# Altium PCB intPCB1.PcbDoc (part 3 of 3)
Units mil, origin at the board's own origin, x right, y up, seen from the top; angles counter-clockwise.
Board outline 10495 x 8000 mil, 4 copper layers (Top Layer, 5V, GND, Bottom Layer), stack 23.756 mil thick; 185 components, 89 nets, 720 pads, 479 vias.
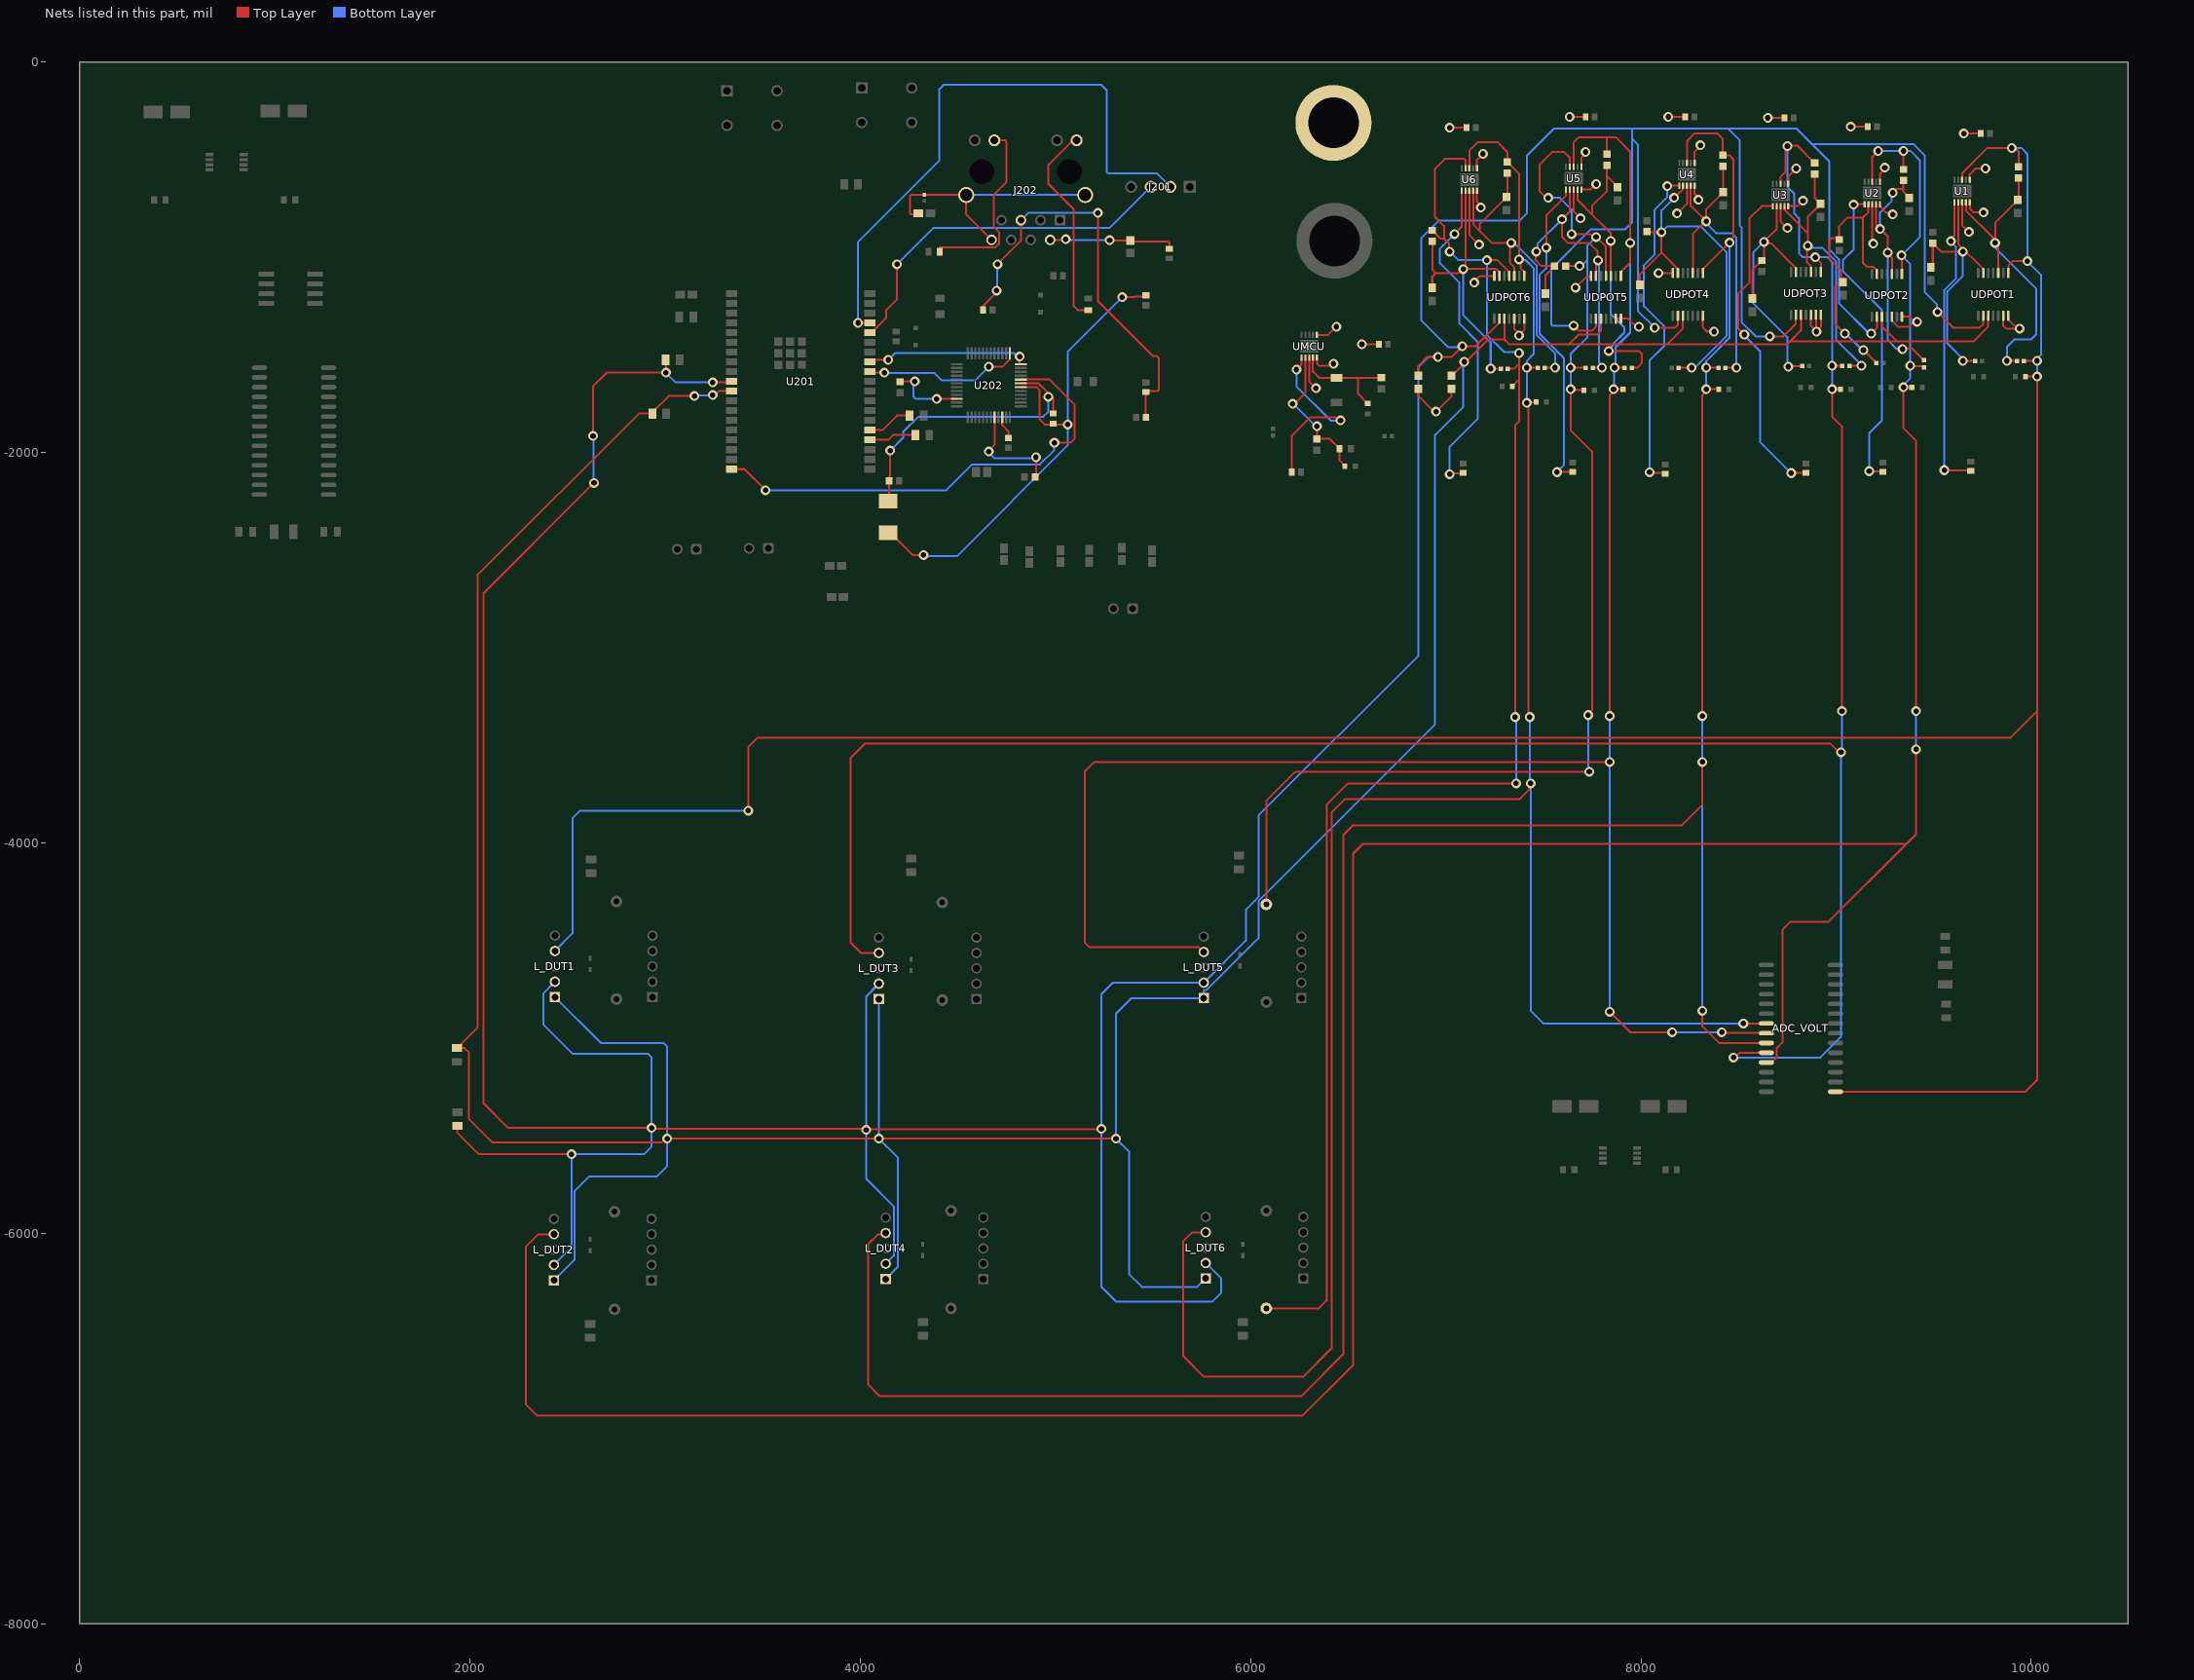
[diagram p5: the nets of this part, all layers, seen from the top]

## Via types
v1: diameter 50, hole 28, Top Layer to Bottom Layer, 444 vias
v2: diameter 19.68, hole 11.81, Top Layer to Bottom Layer, 35 vias

## Nets (pads, with @x,y where several pads share a name; then routed paths per layer and width w, separated by ;. In a path a pad name is that pad's centre, name@x,y a point inside that pad or via, vN(x,y) a via of type N, cw(c..) or ccw(c..) an arc to the next point about the centre after c; other vN are vias at no path point) (continued)
NetC125_1: C125.1 C145.1 HEAT5.1 R153.1 U5.4 UDPOT5.4 | length 6413.1
  Top Layer w10: HEAT5.1@6080,-4315 6080,-3785 6230,-3635 v1(7735,-3635) ; v1@7530,-710 7480,-660 7480,-525 7545,-460 7606.32,-460 7635.39,-489.07 7635.39,-536.18 U5.4@7635.91,-536.69 ; R153.1@7613.76,-1044.27 v1@7660.59,-1044.27 ; v1(7640,-1675) v1@7640,-1680 ; v1(7640,-1565) C145.1@7717.2,-1565 ; v1(7645,-880) 7744.18,-880 7759.18,-895 v1(7770,-895) 7820.59,-945.59 UDPOT5.4@7820.59,-1095 ; C125.1@7708.43,-1680 v1@7640,-1680 ; v1(7730,-3345) 7730,-3339.14 7750,-3319.14 7750,-1995 7640,-1885 v1@7640,-1680
  Bottom Layer w10: v1(7525,-695) 7585,-695 7645,-755 v1(7645,-880) ; v1(7640,-1675) v1(7640,-1565) 7640,-1495 7725.84,-1409.16 7725.84,-1011.52 ; v1(7685.59,-1044.27) 7693.09,-1044.27 7725.84,-1011.52 ; v1(7730,-3345) 7730,-3630 v1(7735,-3635) ; v1(7770,-895) 7725.84,-939.16 7725.84,-1011.52
NetC126_1: C126.1 C146.1 HEAT6.1 R163.1 U6.4 UDPOT6.4 | length 7921.2
  Top Layer w10: HEAT6.1@6080,-6385 6350,-6385 6390,-6345 6390,-3805 6500,-3695 v1(7360,-3695) ; R163.1@6930.59,-861.1 6931.12,-861.1 6973.68,-903.65 6990.59,-903.65 ; v1(7020,-970) 7016.94,-966.94 7016.94,-930 6990.59,-903.65 ; U6.4@7100.91,-543.26 7100.39,-542.75 7100.39,-500.86 7094.54,-495 6995,-495 6945,-545 6945,-793.68 6990.59,-839.27 6990.59,-903.65 ; v1(7210.59,-1014.27) 7264.83,-1014.27 7324.47,-1073.91 7324.47,-1093.88 UDPOT6.4@7325.59,-1095 ; C146.1@7317.8,-1570.08 C146.1@7317.8,-1570 7350,-1570 7375,-1545 ; C126.1@7341.57,-1660 7341.57,-1659.02 7375,-1625.59 ; v1(7355,-3355) 7355,-1860 7375,-1840 7375,-1625.59 ; v1(7375,-1490) 7375,-1545 ; 7375,-1625.59 7375,-1545
  Bottom Layer w10: v1(7020,-970) 7064.27,-1014.27 7197.11,-1014.27 7203.85,-1021.01 v1(7210.59,-1014.27) ; v1@7202.11,-1024.27 7210.3,-1032.45 7210.3,-1395.3 7300,-1485 7370,-1485 v1(7375,-1490) ; v1(7355,-3355) 7360,-3360 v1(7360,-3695)
NetC131_2: C131.2 R111.2 R112.1 U1.9 UDPOT1.3 | length 1644.2
  Top Layer w10: U1.9@9665.59,-716.85 9665.59,-759.27 v1@9815,-908.68 ; v1(9815,-925) v1@9815,-908.68 ; UDPOT1.3@9831.18,-1080 v1@9831.18,-924.86 ; v1(9875,-1530) C131.2@9927.2,-1530 ; R111.2@9930.23,-587.07 R111.2@9935.59,-592.43 9935.59,-700.75 R112.1@9930.59,-705.75 9930.59,-707.67 9815,-823.26 v1@9815,-908.68
  Bottom Layer w10: v1@9805,-940 10025,-1160 10025,-1395 10000,-1420 9915,-1420 9875,-1460 v1(9875,-1530)
NetC132_2: C132.2 R121.2 R122.1 U2.9 UDPOT2.3 | length 1429.2
  Top Layer w10: U2.9@9205.28,-726.85 9205.28,-833.95 v1(9225.59,-854.27) 9265,-893.68 v1(9265,-975) ; v1@9270,-985 9286.18,-1001.18 UDPOT2.3@9286.18,-1085 ; v1@9295.59,-659.27 9305.59,-649.27 9345.59,-649.27 ; v1(9340,-1470) 9345,-1465 9387.8,-1465 C132.2@9450,-1527.2 ; R121.2@9345.59,-605.6 9345.59,-649.27 ; R122.1@9375.59,-695.75 9375.59,-693.83 9345.59,-663.83 9345.59,-649.27
  Bottom Layer w10: v1(9225.59,-854.27) 9225.59,-769.27 9285.59,-709.27 9285.59,-674.27 v1(9290.59,-669.27) ; v1(9265,-975) 9265,-1424.18 9307.13,-1466.3 9336.3,-1466.3 v1(9340,-1470)
NetC133_2: C133.2 R131.2 R132.1 U3.9 UDPOT3.3 | length 1568.7
  Top Layer w10: U3.9@8735.28,-736.85 8735.79,-737.36 8735.79,-755.79 8855.13,-875.13 ; v1@8850.59,-940 8850.59,-1024.27 8870.92,-1044.59 8870.92,-1074.73 UDPOT3.3@8871.18,-1075 ; v1(8855,-940) 8855,-875.13 8855,-793.26 8920.59,-727.67 R132.1@8920.59,-725.75 8890.59,-695.75 R131.2@8890.59,-572.43 ; C133.2@9067.8,-1555 v1(9130,-1555)
  Bottom Layer w10: v1@8850,-950 8930,-950 9000,-1020 9000,-1420.82 9130,-1550.82 v1(9130,-1555)
NetC134_2: C134.2 R141.2 R142.1 U4.9 UDPOT4.3 | length 1744.3
  Top Layer w10: U4.9@8255.28,-631.85 8255.28,-735.28 v1(8335,-815) ; UDPOT4.3@8266.18,-1080 8266.18,-879.86 8331.04,-815 v1(8335,-815) ; R141.2@8420.59,-532.43 R142.1@8420.59,-665.75 8420.59,-667.67 8335,-753.26 v1(8335,-815) ; C134.2@8436.7,-1568.9 C134.2@8432.8,-1565 v1@8480,-1565
  Bottom Layer w10: v1(8335,-815) 8335,-825 8385,-875 8465.82,-875 8490,-899.18 v1(8490,-1565)
NetC135_2: C135.2 R151.2 R152.1 U5.9 UDPOT5.3 | length 1788
  Top Layer w10: U5.9@7675.28,-651.85 7675.28,-705.28 7750,-780 ; R151.2@7825.59,-527.43 7825.59,-583.83 ; v1(7835,-1479.27) 7989.27,-1479.27 8005,-1495 8005,-1540 7980,-1565 C135.2@7952.8,-1565 ; UDPOT5.3@7846.18,-1095 7846.18,-876.18 7750,-780 ; R152.1@7880.59,-640.75 7880.59,-638.83 7825.59,-583.83 ; 7750,-780 7750,-734.86 7825.59,-659.27 7825.59,-583.83
  Bottom Layer w10: v1(7835,-1479.27) 7835,-1472.07 7859.69,-1447.38 7859.69,-1440.31 7915,-1385 7915,-1360 7845,-1290 v1(7845,-915)
NetC136_2: C136.2 R161.2 R162.1 U6.9 UDPOT6.3 | length 1740.2
  Top Layer w10: U6.9@7140.28,-658.42 7140.28,-830.28 7175,-865 ; R161.2@7315.59,-567.43 7315.59,-685.75 R162.1@7310.59,-690.75 7310.59,-692.67 7175,-828.26 7175,-865 ; v1@7343.02,-916.98 v1(7335,-925) ; UDPOT6.3@7351.18,-1095 7351.18,-1051.18 7327.35,-1027.35 7327.35,-932.65 v1(7335,-925) ; C136.2@7507.8,-1565 v1@7550,-1565 ; 7175,-865 7235,-925 v1(7335,-925)
  Bottom Layer w10: v1(7335,-925) 7345.82,-925 7356.61,-935.78 7360.78,-935.78 7465,-1040 7465,-1396.21 7560,-1491.21 v1(7560,-1565)
NetC141_2: C141.2 R113.2 R114.1 U1.7 UDPOT1.6 | length 1398.8
  Top Layer w10: R114.1@9485.59,-1040.75 9495.59,-1030.75 R113.2@9495.59,-927.43 9496.12,-927.43 9509.53,-940.84 9509.53,-941.37 9538.16,-970 v1(9650,-970) ; U1.7@9625.91,-716.85 9625.91,-931.52 9754.41,-1060.03 UDPOT1.6@9754.41,-1080 ; v1(9650,-1530) C141.2@9712.2,-1530
  Bottom Layer w10: v1(9650,-970) 9650,-1093.79 9570,-1173.79 9570,-1440 v1@9660,-1530
NetC142_2: C142.2 R123.2 R124.1 U2.7 UDPOT2.6 | length 1464.9
  Top Layer w10: 9013.25,-841.92 9059.43,-795.74 9137.43,-795.74 ; 9015.59,-844.27 9015.59,-901.1 8978.76,-901.1 8965,-914.86 8965,-1005 9025.96,-1065.96 R124.1@9025.96,-1120.96 ; R123.2@9017.4,-908.67 R123.2@9024.97,-901.1 ; R124.1@9038.07,-1105.15 9038.07,-1107.07 9025.07,-1120.07 8995,-1150.14 8995,-1340 v1(9045,-1390) ; v1(9140,-1475) 9142.28,-1475 9207.2,-1539.92 C142.2@9207.2,-1540 ; U2.7@9165.91,-726.85 9165.91,-767.26 9137.43,-795.74 ; UDPOT2.6@9209.41,-1085 9209.41,-1065.95 9206.78,-1063.32 9205.74,-1063.32 9190.74,-1048.32 9159.64,-1048.32 9137.43,-1026.1 9137.43,-795.74
  Bottom Layer w10: v1(9045,-1390) 9050,-1390 9135,-1475 v1(9140,-1475)
NetC143_2: C143.2 R133.2 R134.1 U3.7 UDPOT3.6 | length 1565.1
  Top Layer w10: R134.1@8561.22,-1199.46 R134.1@8570.59,-1208.83 ; R134.1@8570.59,-1210.75 R134.1@8570.59,-1208.83 ; U3.7@8695.91,-736.85 8695.91,-854.09 v1@8635.73,-914.27 ; v1(8755,-1560) 8757.5,-1557.5 C143.2@8821.9,-1557.5 ; UDPOT3.6@8794.41,-1075 8793.29,-1073.88 8793.29,-1053.91 8667.04,-927.65 8648.48,-927.65 8635.73,-914.91 v1@8635.73,-914.27 ; R134.1@8570.59,-1208.83 8570.59,-1065.57 8620.06,-1016.1 R133.2@8620.59,-1016.1 8630,-1006.69 v1(8630,-920) v1@8635.73,-914.27
  Bottom Layer w10: v1(8630,-920) 8575.59,-974.41 8575.59,-1234.27 8750,-1408.68 v1@8750,-1545.64
NetC144_2: C144.2 R143.2 R144.1 U4.7 UDPOT4.6 | length 1958
  Top Layer w10: R144.1@7995.59,-1140.75 7995.59,-1084.41 8105,-975 v1(8105,-870) 8032.37,-870 R143.2@8030.53,-868.17 ; 8105,-975.62 8189.41,-1060.03 UDPOT4.6@8189.41,-1080 ; v1(8170.59,-694.27) 8215.39,-649.46 8215.39,-632.36 U4.7@8215.91,-631.85 ; C144.2@8192.8,-1565.08 C144.2@8192.8,-1565 v1(8260,-1565)
  Bottom Layer w10: v1(8170.59,-694.27) 8105,-759.86 v1(8105,-870) 8135,-840 8305,-840 8439.14,-974.14 8439.14,-1400.86 8275,-1565 v1(8260,-1565)
NetC145_2: C145.2 R153.2 R154.1 U5.7 UDPOT5.6 | length 1736
  Top Layer w10: v1(7463.82,-970.15) 7461.47,-972.5 7461.47,-1015.15 7490.59,-1044.27 R153.2@7557.43,-1044.27 7557.43,-1044.8 7510.59,-1091.64 R154.1@7510.59,-1185.75 ; U5.7@7635.91,-651.85 7635.91,-763.95 v1(7595.59,-804.27) 7595.59,-895.59 7625,-925 7735,-925 7776.72,-966.72 7776.72,-1011.72 v1(7780,-1015) 7780,-1025.82 7769.41,-1036.41 UDPOT5.6@7769.41,-1095 ; C145.2@7752.8,-1565.08 C145.2@7752.8,-1565 v1@7790,-1565
  Bottom Layer w10: v1(7463.82,-970.15) 7469.71,-964.26 7469.71,-930.15 v1(7595.59,-804.27) ; v1(7780,-1015) 7785,-1020 7785,-1539.18 7800,-1554.18 v1(7800,-1565)
NetC146_2: C146.2 R163.2 R164.1 U6.7 UDPOT6.6 | length 1642.6
  Top Layer w10: R164.1@6930.59,-1155.75 6930.59,-1099.27 6949.02,-1080.84 ; R163.2@6930.59,-917.43 6930.93,-917.78 6930.93,-1062.76 6949.02,-1080.84 ; U6.7@7100.91,-658.42 v1@7100.91,-1044.27 ; v1(7230,-1570) C146.2@7282.2,-1570 7288.38,-1563.82 C146.2@7288.38,-1562.82 ; UDPOT6.6@7274.41,-1095 7274.41,-1075.03 7257.7,-1058.32 7114.96,-1058.32 v1@7100.91,-1044.27 ; 6949.02,-1080.84 7064.33,-1080.84 v1@7100.91,-1044.27
  Bottom Layer w10: v1(7090,-1060) 7090,-1296.21 7230,-1436.21 v1(7230,-1570)
NetC213_1: C213.1 R216.2 U202.31 Y201.2 | length 1550.2
  Top Layer w10: Y201.2@4143.34,-2249.29 4147.94,-2244.69 4147.94,-2123.81 4153.34,-2118.41 v1(4153.34,-1990) ; U202.31@4822.91,-1645.16 4913.43,-1645.16 v1@4963.34,-1695.07 ; v1(4963.34,-1714) v1@4963.34,-1695.07 ; R216.2@4988.34,-1805 4988.34,-1720.07 v1@4963.34,-1695.07
  Bottom Layer w10: v1(4153.34,-1990) 4219.17,-1924.17 4219.17,-1894.17 4297.34,-1816 4937.34,-1816 4963.34,-1790 v1(4963.34,-1714)
NetC214_2: C214.2 R216.1 U202.30 Y201.1 | length 2622.8
  Top Layer w10: Y201.1@4143.34,-2410.71 4153.18,-2410.71 4267.47,-2525 v1(4323.34,-2525) v1@4322.63,-2525.71 ; U202.30@4822.91,-1664.84 4903.46,-1664.84 4918.62,-1680 4918.62,-1830 4944.86,-1856.25 v1(5062.34,-1856.25) ; v1(5341.52,-1203.82) 5403.97,-1203.82 5406.65,-1201.14 5451.61,-1201.14 C214.2@5463.34,-1189.41
  Bottom Layer w10: v1@4317.34,-2531 v1(4323.34,-2525) 4329.34,-2531 4494.34,-2531 5062.34,-1963 v1(5062.34,-1856.25) 5062.34,-1483 v1(5341.52,-1203.82)
NetC215_2: C215.2 U202.22 | length 119
  Top Layer w10: U202.22@4727.24,-1819.57 4727.24,-1858.9 4758.34,-1890 C215.2@4758.34,-1925.72
NetC216_2: C216.2 U202.20 | length 555.7
  Top Layer w10: v1(4658.34,-1995) 4658.34,-1989.14 4687.87,-1959.61 U202.20@4687.87,-1819.57 ; C216.2@4899.91,-2130 v1(4899.91,-2024)
  Bottom Layer w10: v1(4658.34,-1995) 4658.34,-2001 4687.34,-2030 4893.91,-2030 v1(4899.91,-2024)
NetC217_2: C217.2 J202.6 R213.1 R214.1 | length 2193.9
  Top Layer w10: R213.1@4628.73,-1270 4628.73,-1248.61 v1@4697.84,-1179.5 ; v1(4703.34,-1035) 4822.52,-915.83 J202.6@4822.52,-809.84 ; v1(5217.34,-772) 5217.34,-1223 5499.34,-1505 5518.34,-1505 5528.34,-1515 5528.34,-1679.14 5522.48,-1685 5463.74,-1685 R214.1@5463.34,-1684.61 ; C217.2@5463.34,-1824.72 R214.1@5463.34,-1686.72
  Bottom Layer w10: v1(4698.34,-1170) 4700.84,-1167.5 4700.84,-1037.5 v1(4703.34,-1035) ; J202.6@4822.52,-809.84 4860.36,-772 v1(5217.34,-772)
NetC218_2: C218.2 J202.2 R210.2 | length 641.9
  Top Layer w10: J202.2@4972.52,-909.84 v1@5038.34,-909.84 ; v1@5273.34,-910 5276.24,-912.9 R210.2@5383.34,-912.9 ; R210.2@5388.34,-917.9 5577.48,-917.9 5583.34,-923.76 5583.34,-950 C218.2@5578.34,-955
  Bottom Layer w10: v1(5052.34,-907) 5057.34,-912 v1(5277.34,-912) v1@5282.34,-917
NetC221_1: C221.1 J202.8 J202.S1 J202.S2 R209.2 | length 1337.6
  Top Layer w10: C221.1@4317.16,-780 4259.2,-780 4253.34,-774.14 4253.34,-685.03 4259.2,-679.17 4318.34,-679.17 ; R209.2@4321.96,-678.38 4323.5,-679.92 4333.34,-679.92 J202.S2@4542.59,-679.92 4542.59,-779.92 J202.8@4672.52,-909.84
  Bottom Layer w10: J202.S2@4542.59,-679.92 J202.S1@5152.44,-679.92
NetCnr1_1: Cnr1.1 U1.6 | length 1552.9
  Top Layer w10: v1(9555,-2090) 9556.81,-2091.81 9688.19,-2091.81 Cnr1.1@9690,-2093.62 ; v1(9588.41,-916.59) 9588.41,-905.76 9606.22,-887.96 U1.6@9606.22,-716.85
  Bottom Layer w10: v1(9555,-2090) 9555,-1167.57 9615,-1107.57 9615,-946.57 9588.41,-919.98 v1(9588.41,-916.59)
NetCnr2_1: Cnr2.1 U2.6 | length 1611.6
  Top Layer w10: v1@9105,-730 9108.15,-726.85 U2.6@9146.22,-726.85 ; v1(9170,-2095) 9171.81,-2096.81 9238.19,-2096.81 Cnr2.1@9240,-2098.62
  Bottom Layer w10: v1(9090,-730) 9090,-960 9035,-1015 9035,-1070 9235,-1270 9235,-1835 9170,-1900 v1(9170,-2095)
NetCnr3_1: Cnr3.1 U3.6 | length 1652.1
  Top Layer w10: v1(8530,-1395) 8500,-1365 8500,-1185 8555,-1130 8555,-800.87 8619.03,-736.85 U3.6@8676.22,-736.85 ; v1@8780,-2105 8781.38,-2103.62 Cnr3.1@8845,-2103.62
  Bottom Layer w10: v1(8530,-1395) 8530,-1400 8610,-1480 8610,-1945 v1(8770,-2105)
NetCnr4_1: Cnr4.1 U4.6 | length 1715.3
  Top Layer w10: v1(8044.41,-2100.73) 8048.35,-2104.68 8121.06,-2104.68 Cnr4.1@8125,-2108.62 ; v1@8155,-631.85 U4.6@8196.22,-631.85
  Bottom Layer w10: v1(8044.41,-2100.73) 8044.41,-1528.09 8120,-1452.5 8120,-1355 8015,-1250 8015,-1040 8070,-985 8070,-755.41 8135,-690.41 v1(8135,-635)
NetCnr5_1: Cnr5.1 U5.6 | length 1641.4
  Top Layer w10: v1@7515,-940 7515,-785 7616.22,-683.78 U5.6@7616.22,-651.85 ; v1(7570,-2100) 7570.69,-2099.31 7649.31,-2099.31 Cnr5.1@7650,-2098.62
  Bottom Layer w10: v1(7515,-950) 7515,-1055 7480,-1090 7480,-1390 7605,-1515 7605,-2065 v1(7570,-2100)
NetCnr6_1: Cnr6.1 U6.6 | length 1711.1
  Top Layer w10: v1(7020,-2110) 7023.19,-2106.81 7086.81,-2106.81 Cnr6.1@7090,-2103.62 ; v1(7045,-880) 7081.22,-843.78 U6.6@7081.22,-658.42
  Bottom Layer w10: v1(7020,-2110) 7020,-1970 7165,-1825 7165,-1435 7070,-1340 7070,-1130 6970,-1030 6970,-955 v1(7045,-880)
NetCnr7_1: Cnr7.1 UMCU.6 | length 938.4
  Top Layer w10: Cnr7.1@6210,-2100 6210,-1915 6305,-1820 6434.18,-1820 6449.18,-1835 v1(6460,-1835) ; v1(6235,-1575) 6260.63,-1549.37 UMCU.6@6260.63,-1512.58
  Bottom Layer w10: v1(6235,-1575) 6235,-1660 6412.75,-1837.75 6457.25,-1837.75 v1(6460,-1835)
NetCout7a_2: Cout7a.2 R101.2 R102.1 UMCU.9 | length 588.8
  Top Layer w10: UMCU.9@6319.69,-1512.58 6319.17,-1513.09 6319.17,-1584.17 6352.01,-1617.01 R101.2@6430,-1617.01 ; R101.2@6430.63,-1616.38 6550.28,-1616.38 ; Cout7a.2@6600,-1748.43 6599.02,-1748.43 6591.22,-1740.63 6591.22,-1739.65 6550.28,-1698.7 6550.28,-1616.38 ; R102.1@6670,-1616.38 6550.28,-1616.38
NetCout7b_2: Cout7b.2 R103.1 R104.1 UMCU.7 | length 743.6
  Top Layer w10: v1(6215,-1750) 6225,-1750 6280.31,-1694.69 UMCU.7@6280.31,-1512.58 ; v1(6340,-1865) 6340,-1926.3 6343.7,-1930 6405.47,-1930 R103.1@6455.47,-1980 6455.47,-2041.06 6483.43,-2069.02 Cout7b.2@6483.43,-2070
  Bottom Layer w10: v1(6215,-1750) 6220,-1750 6335,-1865 v1(6340,-1865)
NetJ201_2: J201.2 U201.35 | length 3084
  Top Layer w10: v1(3988.34,-1335) U201.35@4048.34,-1335
  Bottom Layer w10: v1(3988.34,-1335) 3988.34,-920 4405.34,-503 4405.34,-138 4428.34,-115 5233.34,-115 5263.34,-145 5263.34,-563.14 5269.2,-569 5518.9,-569 J201.2@5588.34,-638.44
NetJ201_3: J201.3 U201.34 | length 1881.1
  Top Layer w10: U201.34@4048.34,-1385 4060.15,-1385 4072.87,-1372.28 4072.87,-1368.57 4078.73,-1362.72 4082.01,-1362.72 4087.87,-1356.86 4087.87,-1353.57 4133.34,-1308.1 4133.34,-1270 4188.34,-1215 v1(4188.34,-1035)
  Bottom Layer w10: v1(4188.34,-1035) 4375.34,-848 5278.78,-848 J201.3@5488.34,-638.44
NetJ202_9: J202.9 R207.1 | length 1058.4
  Top Layer w10: J202.9@5108.34,-400 5098.58,-409.76 5078.58,-409.76 4963.34,-525 4963.34,-624 5093.34,-754 5093.34,-1249.53 5113.34,-1269.53 R207.1@5168.34,-1269.53
NetJ202_11: J202.11 R208.2 | length 958
  Top Layer w10: R208.2@4407.4,-970 4407.4,-948 4693.34,-948 4710.34,-931 4710.34,-870 4684.95,-844.61 4684.95,-678 4748.34,-614.61 4748.34,-405.86 4742.48,-400 J202.11@4686.69,-400
NetR205_2: R205.2 U201.23 | length 244.5
  Top Layer w10: U201.23@4048.34,-1935 4143.34,-1935 4168.34,-1910 R205.2@4282.47,-1910
NetR206_2: R206.2 U201.24 | length 235.6
  Top Layer w10: U201.24@4048.34,-1885 4113.34,-1885 4188.34,-1810 R206.2@4252.91,-1810
NetR215_2: R215.2 U202.10 | length 355.9
  Top Layer w10: R215.2@4218.34,-1635 v1(4278.34,-1635) ; v1(4390.77,-1724.83) 4391.23,-1724.36 4493.31,-1724.36 U202.10@4493.77,-1723.9
  Bottom Layer w10: v1@4273.34,-1645 4272.37,-1645.97 4272.37,-1714.14 4283.23,-1725 4390.59,-1725 v1(4390.77,-1724.83)
NetU201_19: U201.19 U202.32 | length 2436.8
  Top Layer w10: U201.19@3339.68,-2085 3406.34,-2085 v1(3514.34,-2193) ; U202.32@4822.91,-1625.47 4968.97,-1625.47 5097.34,-1753.84 5097.34,-1930 5077.34,-1950 v1(4994.34,-1950)
  Bottom Layer w10: v1(3514.34,-2193) 4441.34,-2193 4573.34,-2061 4920.34,-2061 4994.34,-1987 v1(4994.34,-1950)
NetU201_30: U201.30 U202.37 | length 803.1
  Top Layer w10: U201.30@4048.34,-1585 4053.34,-1590 v1(4123.34,-1590) ; v1(4658.34,-1560) 4727.72,-1560 4766.1,-1521.62 4766.1,-1490.95 U202.37@4766.61,-1490.43
  Bottom Layer w10: v1@4131.85,-1592.65 4380.99,-1592.65 4418.34,-1630 4496.34,-1630 4497.34,-1629 4589.34,-1629 v1(4658.34,-1560)
NetU201_31: U201.31 U202.36 | length 839.1
  Top Layer w10: U201.31@4048.34,-1535 4058.34,-1525 v1(4143.34,-1525) ; v1(4817.12,-1508) 4817.12,-1546.22 4817.63,-1546.73 U202.36@4822.91,-1546.73
  Bottom Layer w10: v1(4143.34,-1525) 4178.34,-1490 4788.3,-1490 4806.3,-1508 v1(4817.12,-1508)
Pow.SCL: L_DUT1.1 L_DUT2.1 L_DUT3.1 L_DUT4.1 L_DUT5.1 L_DUT6.1 R100scl.1 R202.1 SCL_R.1 U201.11 UDPOT1.10 UDPOT2.10 UDPOT3.10 UDPOT4.10 UDPOT5.10 UDPOT6.10 | length 21652.6
  Top Layer w10: SCL_R.1@1933.44,-5050.69 SCL_R.1@1940.33,-5050.69 ; v1(3150,-1710) 3017.68,-1710 2934.57,-1793.11 R202.1@2934.57,-1800 2865,-1800 2040,-2625 2040,-4944.13 1955.02,-5029.11 1955.02,-5036 SCL_R.1@1940.33,-5050.69 ; v1(3243.34,-1705) 3254.16,-1705 3274.16,-1685 U201.11@3339.68,-1685 ; v1(5310,-5515) v1(4095,-5515) v1(3010,-5515) 3000,-5515 2980,-5535 2115,-5535 1995,-5415 1995,-5075 1970.69,-5050.69 SCL_R.1@1940.33,-5050.69 ; R100scl.1@7030,-1606.49 7030,-1604.57 7044.92,-1589.64 7046.84,-1589.64 7216.49,-1420 7300,-1420 ; UDPOT6.10@7300,-1313.53 7300,-1420 ; UDPOT5.10@7795,-1313.53 7795,-1375.65 7775.59,-1395.05 7681.38,-1395.05 7632.17,-1444.27 ; UDPOT4.10@8215,-1298.53 8215,-1364.86 8135.59,-1444.27 ; UDPOT3.10@8820,-1293.53 8820,-1374.86 8764.86,-1430 ; UDPOT2.10@9235,-1303.53 9235,-1353.68 9310.59,-1429.27 ; UDPOT1.10@9780,-1298.53 9780,-1354.86 9704.86,-1430 8764.86,-1430 ; 7300,-1420 7324.27,-1444.27 7632.17,-1444.27 ; 7632.17,-1444.27 8135.59,-1444.27 ; 8135.59,-1444.27 8750.59,-1444.27 8764.86,-1430
  Bottom Layer w10: L_DUT2.1@2430,-6241.22 2535,-6136.22 2535,-5785 2610,-5710 2955,-5710 3010,-5655 v1(3010,-5515) 3010,-5045 2990,-5025 2670,-5025 L_DUT1.1@2435,-4790 ; v1(3150,-1710) 3152.5,-1707.5 3240.84,-1707.5 v1(3243.34,-1705) ; L_DUT3.1@4095,-4800 v1(4095,-5515) 4191.57,-5611.57 4191.57,-6173.43 L_DUT4.1@4130,-6235 ; L_DUT6.1@5770,-6231.22 5726.22,-6275 5443.15,-6275 5376.57,-6208.43 5376.57,-5581.57 v1(5310,-5515) 5310,-4875 5390,-4795 L_DUT5.1@5760,-4795 5760,-4758.69 5765.86,-4752.83 5775.15,-4752.83 6040,-4487.98 6040,-4298.43 6945,-3393.43 6945,-1910 7090,-1765 7090,-1540 v1(7095,-1535)
Pow.SDA: L_DUT1.2 L_DUT2.2 L_DUT3.2 L_DUT4.2 L_DUT5.2 L_DUT6.2 R100sda.1 R201.1 SDA_R.1 U201.10 UDPOT1.9 UDPOT2.9 UDPOT3.9 UDPOT4.9 UDPOT5.9 UDPOT6.9 | length 29958.6
  Top Layer w10: SDA_R.1@1935,-5450.43 1935,-5485 2045,-5595 v1(2520,-5595) ; v1(2630,-1915) 2630,-1660 2700,-1590 v1(3003.34,-1590) 3003.34,-1535.43 R201.1@3002.91,-1535 ; v1(2635,-2155) 2590,-2200 2070,-2720 2070,-5335 2195,-5460 v1(2930,-5460) 2935,-5465 4025,-5465 v1(4030,-5470) 4032.5,-5467.5 5232.5,-5467.5 v1(5235,-5465) ; v1(3243.34,-1640) 3334.68,-1640 U201.10@3339.68,-1635 ; R100sda.1@6860,-1606.49 6860,-1555 6905,-1510 v1(6960,-1510) 7030,-1510 v1(7085,-1455) 7152.9,-1455.01 7274.41,-1333.51 UDPOT6.9@7274.41,-1313.53 ; v1(7655.59,-1349.27) 7680.59,-1374.27 7750.59,-1374.27 7769.41,-1355.45 UDPOT5.9@7769.41,-1313.53 ; v1(8070,-1360) 8174.86,-1360 8189.41,-1345.45 UDPOT4.9@8189.41,-1298.53 ; v1(8660.59,-1404.27) 8730.59,-1404.27 8793.29,-1341.56 8793.29,-1294.65 UDPOT3.9@8794.41,-1293.53 ; v1(9180,-1390) 9209.41,-1360.59 UDPOT2.9@9209.41,-1303.53 ; v1(9520,-1280) 9599.27,-1359.27 9735.59,-1359.27 9754.41,-1340.45 UDPOT1.9@9754.41,-1298.53
  Bottom Layer w10: L_DUT2.2@2430,-6162.48 2520,-6072.48 v1(2520,-5595) 2890,-5595 2930,-5555 v1(2930,-5460) 2930,-5100 2910,-5080 2525,-5080 2375,-4930 2375,-4771.26 L_DUT1.2@2435,-4711.26 ; v1(2630,-1915) 2632.5,-1917.5 2632.5,-2152.5 v1(2635,-2155) ; v1(3003.34,-1590) 3053.34,-1640 v1(3243.34,-1640) ; L_DUT3.2@4095,-4721.26 4030,-4786.26 v1(4030,-5470) 4030,-5721.13 4171.57,-5862.7 4171.57,-6114.68 L_DUT4.2@4130,-6156.26 ; L_DUT6.2@5770,-6152.48 5850,-6232.48 5850,-6305 5805,-6350 5310,-6350 5235,-6275 v1(5235,-5465) 5235,-4775 5293.74,-4716.26 L_DUT5.2@5760,-4716.26 5975,-4501.26 5975,-4342.22 6040,-4277.22 6040,-3860 6860,-3040 6860,-1560 6910,-1510 v1(6960,-1510) ; v1(7085,-1455) 7080.73,-1459.27 7010.59,-1459.27 6875,-1323.68 6875,-899.86 6964.86,-810 7379.86,-810 7415.59,-774.27 7415.59,-479.27 7555.59,-339.27 7955.59,-339.27 ; v1(7655.59,-1349.27) 7546.45,-1349.27 7540.59,-1343.41 7540.59,-1059.27 7744.86,-855 7919.86,-855 7955.59,-819.27 7955.59,-394.27 ; v1(8070,-1360) 7985.59,-1275.59 7985.59,-1259.27 7985.59,-424.27 7955.59,-394.27 ; v1(8660.59,-1404.27) 8588.76,-1404.27 8515.59,-1331.09 8515.59,-845.59 8505.59,-835.59 8505.59,-399.27 8445.59,-339.27 ; v1(9180,-1390) 9170,-1390 9015,-1235 9015,-1008.68 8965.59,-959.27 8965.59,-509.27 8875.59,-419.27 ; v1(9520,-1280) 9516.32,-1276.32 9516.32,-1240 9455,-1178.68 9455,-478.68 9395.59,-419.27 8875.59,-419.27 ; 7955.59,-394.27 7955.59,-339.27 ; 7955.59,-339.27 8445.59,-339.27 ; 8445.59,-339.27 8795.59,-339.27 8875.59,-419.27
VCC_DUT1: ADC_VOLT.15 C111.1 C131.1 L_DUT1.4 R111.1 U1.3 UDPOT1.1 | length 15301.7
  Top Layer w10: v1(3425,-3835) 3425,-3510 3475,-3460 9895,-3460 10030,-3325 ; ADC_VOLT.15@8997.17,-5275 9970,-5275 10030,-5215 10030,-3325 ; U1.3@9645.59,-601.69 9645.59,-569.27 9775.59,-439.27 v1(9900.59,-439.27) 9908.24,-446.92 9926.36,-446.92 9935.59,-456.15 R111.1@9935.59,-536.1 ; UDPOT1.1@9882.36,-1080 9882.36,-1042.5 9905.59,-1019.27 v1(9980.59,-1019.27) ; C131.1@9962.8,-1530 v1(10030,-1530) ; C111.1@9967.8,-1613.77 C111.1@9971.57,-1610 v1@10020,-1610 ; v1(10030,-1610) 10030,-3325
  Bottom Layer w10: L_DUT1.4@2435,-4553.78 2525,-4463.78 2525,-3875 2565,-3835 v1(3425,-3835) ; v1(9900.59,-439.27) 9950.59,-439.27 9980.59,-469.27 v1(9980.59,-1019.27) 10050,-1088.68 10050,-1499.18 10030,-1519.18 v1(10030,-1530) v1(10030,-1610)
VCC_DUT2: ADC_VOLT.11 C112.1 C132.1 L_DUT2.4 R121.1 U2.3 UDPOT2.1 | length 16704
  Top Layer w10: L_DUT2.4@2430,-6005 2350,-6005 2285,-6070 2285,-6875 2345,-6935 6265,-6935 6525,-6675 6525,-4055 6575,-4005 9360,-4005 ; ADC_VOLT.11@8656.61,-5125 8670.39,-5125 8696.93,-5098.46 8696.93,-5050.52 8725,-5022.45 8725,-4445 8765,-4405 8960,-4405 9360,-4005 ; U2.3@9185.59,-611.69 9185.59,-484.27 v1(9215.59,-454.27) ; v1@9335.59,-978.44 v1(9335.59,-989.27) 9336.48,-990.15 9336.48,-1084.11 UDPOT2.1@9337.36,-1085 ; R121.1@9345.59,-549.27 v1(9345.59,-454.27) ; v1(9380,-1555) 9383.43,-1558.44 9445.63,-1558.44 C132.1@9450,-1562.8 ; C112.1@9388.43,-1665 v1(9345,-1665) 9345,-1875 9410,-1940 v1(9410,-3325) ; v1(9410,-3520) 9410,-3955 9360,-4005
  Bottom Layer w10: v1(9215.59,-454.27) v1(9345.59,-454.27) 9380.59,-454.27 9430.59,-504.27 9430.59,-894.27 v1(9335.59,-989.27) 9380,-1033.68 v1(9380,-1555) 9380,-1619.18 9345,-1654.18 v1(9345,-1665) ; v1(9410,-3520) v1(9410,-3325)
VCC_DUT3: ADC_VOLT.10 C113.1 C133.1 L_DUT3.4 R131.1 U3.3 UDPOT3.1 | length 12336.7
  Top Layer w10: L_DUT3.4@4095,-4563.78 4003.78,-4563.78 3950,-4510 3950,-3565 4025,-3490 8970,-3490 9015,-3535 v1(9025,-3535) ; v1(8475,-5100) 8481.57,-5100 8506.57,-5075 ADC_VOLT.10@8642.83,-5075 ; U3.3@8715.59,-621.69 8715.59,-587.42 8740.59,-562.42 8740.59,-431.96 8746.45,-426.1 8800.59,-426.1 8876.65,-502.16 8876.65,-502.7 8890.06,-516.1 R131.1@8890.59,-516.1 ; v1@8891.28,-996.38 v1(8894.16,-999.27) 8922.36,-1027.47 UDPOT3.1@8922.36,-1075 ; v1(8980,-1555) C133.1@9032.2,-1555 C133.1@9029.31,-1552.12 ; C113.1@9023.43,-1675 v1(8980,-1675) 8980,-1815 9030,-1865 v1(9030,-3325)
  Bottom Layer w10: v1(8475,-5100) 8920,-5100 9025,-4995 v1(9025,-3535) 9030,-3530 v1(9030,-3325) ; v1(8750.59,-429.27) 8750.59,-636.99 8785.59,-671.99 8785.59,-775.59 8810,-800 8810,-978.68 8830.59,-999.27 v1(8894.16,-999.27) 8955.59,-999.27 8980,-1023.68 v1(8980,-1555) v1@8980,-1665
VCC_DUT4: ADC_VOLT.9 C114.1 C134.1 L_DUT4.4 R141.1 U4.3 UDPOT4.1 | length 13855.7
  Top Layer w10: L_DUT4.4@4130,-5998.78 4122.2,-6006.57 4088.43,-6006.57 4039.14,-6055.86 4039.14,-6774.14 4100,-6835 6260,-6835 6475,-6620 6475,-3960 6525,-3910 8210,-3910 8315,-3805 v1(8315,-3585) ; U4.3@8235.59,-516.69 8235.59,-404.41 8275.73,-364.27 8390.59,-364.27 8420.06,-393.73 R141.1@8420.06,-476.1 ; v1(8315,-4860) 8315,-4940 8400,-5025 ADC_VOLT.9@8642.83,-5025 ; v1(8315,-3350) 8315,-1705.82 8335,-1685.82 v1(8335,-1675) C114.1@8398.43,-1675 ; UDPOT4.1@8317.36,-1080 8317.36,-1060.03 8445.47,-931.92 8447.11,-931.92 8453.12,-925.91 8453.12,-924.27 v1(8455,-924.27) 8465.59,-924.27 8464.26,-922.94 8464.26,-907.39 8473.24,-898.41 8473.24,-496.92 8452.43,-476.1 R141.1@8420.59,-476.1 ; v1(8335,-1565) C134.1@8397.2,-1565
  Bottom Layer w10: v1(8315,-4860) v1(8315,-3585) v1(8315,-3350) ; v1(8335,-1675) v1(8335,-1565) 8335,-1530 8455,-1410 v1(8455,-924.27)
VCC_DUT5: ADC_VOLT.8 C115.1 C135.1 L_DUT5.4 R151.1 U5.3 UDPOT5.1 | length 10349.3
  Top Layer w10: L_DUT5.4@5760,-4558.78 5757.05,-4558.78 5733.27,-4535 5175,-4535 5150,-4510 5150,-3635 5200,-3585 v1(7840,-3585) ; U5.3@7655.59,-536.69 7655.59,-409.27 7680.59,-384.27 7825.06,-384.27 ; R151.1@7825.06,-471.1 7825.06,-384.27 ; v1(7840,-4865) 7945,-4970 v1(8160,-4970) ; v1(7840,-3350) 7840,-1705.82 7860,-1685.82 v1(7860,-1675) C115.1@7908.43,-1675 ; v1(7865,-1565) C135.1@7917.2,-1565 ; UDPOT5.1@7897.36,-1095 7897.36,-1075.03 7945,-1027.39 v1(7945,-925) 7945,-458.68 7870.59,-384.27 7825.06,-384.27 ; v1(8415,-4970) 8417.5,-4972.5 8640.33,-4972.5 ADC_VOLT.8@8642.83,-4975
  Bottom Layer w10: v1(7840,-4865) v1(7840,-3585) v1(7840,-3350) ; v1(7860,-1675) 7862.5,-1672.5 7862.5,-1567.5 v1(7865,-1565) 7870,-1560 7870,-1460 7945,-1385 v1(7945,-925) ; v1(8160,-4970) v1(8415,-4970)
VCC_DUT6: ADC_VOLT.7 C116.1 C136.1 L_DUT6.4 R161.1 U6.3 UDPOT6.1 | length 11693.9
  Top Layer w10: L_DUT6.4@5770,-5995 5700,-5995 5655,-6040 5655,-6630 5760,-6735 6270,-6735 6415,-6590 6415,-3845 6485,-3775 7380,-3775 7427.57,-3727.43 7427.57,-3702.43 v1(7435,-3695) ; U6.3@7120.59,-543.26 7120.59,-454.27 7165.59,-409.27 7265.59,-409.27 7315.59,-459.27 R161.1@7315.59,-511.1 7376.64,-572.15 7376.64,-1011.64 7382.34,-1017.34 7382.34,-1055 7402.36,-1075.03 UDPOT6.1@7402.36,-1095 ; v1(7415,-1565) C136.1@7472.2,-1565 ; v1@7430,-3353.12 v1(7430,-3355) 7422.5,-3347.5 7422.5,-1762.5 7410,-1750 v1(7415,-1745) 7417.5,-1742.5 7460.93,-1742.5 C116.1@7463.43,-1740 ; v1(8525,-4925) ADC_VOLT.7@8642.83,-4925
  Bottom Layer w10: v1(7375,-1010) 7378.28,-1013.28 7408.28,-1013.28 7450,-1055 7450,-1495 7415,-1530 v1(7415,-1565) v1(7415,-1745) ; v1(7430,-3355) 7430,-3690 v1(7435,-3695) 7435,-4860 7500,-4925 v1(8525,-4925)
VIN: Cin1.1 Cin2.1 Cin3.1 Cin4.1 Cin5.1 Cin6.1 Cin7.1 JVIN.1 R100scl.2 R100sda.2 U1.1 U1.8 U1.10 U2.1 U2.8 U2.10 U3.1 U3.8 U3.10 U4.1 U4.8 U4.10 U5.1 U5.8 U5.10 U6.1 U6.8 U6.10 UDPOT1.13 UDPOT1.14 UDPOT2.12 UDPOT2.14 UDPOT3.12 UDPOT3.13 UDPOT3.14 UDPOT4.7 UDPOT4.14 UDPOT5.7 UDPOT5.13 UDPOT5.14 UDPOT6.7 UDPOT6.12 UDPOT6.14 UMCU.1 UMCU.8 UMCU.10 | length 5158.4
  Top Layer w10: UMCU.8@6300,-1512.58 6300,-1635 v1(6335,-1670) ; UMCU.10@6339.37,-1512.58 6339.37,-1544.37 6350,-1555 6404.18,-1555 6414.18,-1545 v1(6425,-1545) ; UMCU.1@6339.37,-1397.42 6397.58,-1397.42 v1(6440,-1355) ; JVIN.1@6425,-160 JVIN.1@6519.33,-160 ; v1(6570,-1445) Cin7.1@6651.38,-1445 ; Cin7.1@6647.7,-1433.37 6655.29,-1433.37 Cin7.1@6656.38,-1432.28 ; R100sda.2@6860,-1673.51 6860,-1710 6940,-1790 v1(6950,-1790) 7030,-1710 R100scl.2@7030,-1673.51 ; v1(7020,-335) Cin6.1@7101.38,-335 ; U6.8@7120.59,-658.42 7120.59,-884.27 v1(7170.59,-934.27) ; v1(7145.59,-1129.27) 7145.59,-1124.37 7174.96,-1095 UDPOT6.7@7248.82,-1095 ; U6.10@7159.96,-658.42 7159.96,-714.14 7180,-734.18 v1(7180,-745) ; U6.1@7159.96,-543.26 7159.96,-499.9 v1(7190.59,-469.27) ; UDPOT6.12@7351.18,-1313.53 7351.18,-1367.25 7375,-1391.07 v1(7375,-1400) 7375,-1398.16 7402.36,-1370.79 UDPOT6.14@7402.36,-1313.53 ; v1(7635,-280) Cin5.1@7716.38,-280 ; U5.8@7655.59,-651.85 7655.59,-764.27 v1(7690.59,-799.27) ; v1(7665,-1155) 7722.97,-1097.03 7742.24,-1097.03 7742.24,-1096.58 UDPOT5.7@7743.82,-1095 ; U5.10@7694.96,-651.85 7741.6,-651.85 7769.18,-624.27 v1(7770.59,-624.27) ; U5.1@7694.96,-536.69 7694.96,-490.72 7715.59,-470.09 v1(7715.59,-459.27) ; UDPOT5.13@7870.66,-1334.62 7870.66,-1314.65 UDPOT5.13@7871.77,-1313.53 UDPOT5.14@7897.36,-1313.53 7933.53,-1313.53 v1@7975,-1355 ; v1(8090,-1080) UDPOT4.7@8163.82,-1080 ; v1(8140,-280) Cin3.1@8221.38,-280 ; v1(8185.59,-774.27) 8235.59,-724.27 U4.8@8235.59,-631.85 ; U4.10@8274.96,-631.85 8274.96,-674.14 8295,-694.18 v1(8295,-705) ; U4.1@8274.96,-516.69 8274.96,-458.6 8305,-428.56 v1(8305,-425) ; UDPOT4.14@8317.36,-1298.53 8317.36,-1358.41 8338.95,-1380 v1(8375,-1380) ; v1(8650,-285) Cin4.1@8731.38,-285 ; U3.8@8715.59,-736.85 8715.59,-814.27 v1(8750.59,-849.27) ; U3.10@8754.96,-736.85 8801.6,-736.85 8829.18,-709.27 v1(8830.59,-709.27) ; U3.1@8754.96,-621.69 8754.96,-584.9 v1(8795.59,-544.27) ; UDPOT3.12@8871.18,-1293.53 8871.18,-1351.18 8895.97,-1375.97 v1(8900,-1380) ; UDPOT3.13@8896.77,-1293.53 v1@8896.77,-1376.77 ; v1@8900,-1378.4 8922.36,-1356.04 UDPOT3.14@8922.36,-1293.53 ; v1(9075,-330) Cin2.1@9156.38,-330 ; U2.8@9185.59,-726.85 9186.1,-727.36 9186.1,-924.78 v1(9190.59,-929.27) ; U2.10@9224.96,-726.85 9225.47,-727.36 9225.47,-738.09 9259,-771.61 9282.94,-771.61 v1(9290.59,-779.27) ; U2.1@9224.96,-611.69 9224.96,-571.53 9250,-546.49 v1(9250,-540) ; UDPOT2.12@9286.18,-1303.53 9286.18,-1323.51 9316.94,-1354.27 9374.02,-1354.27 9399.02,-1329.27 9399.02,-1325.8 9376.76,-1303.53 UDPOT2.14@9337.36,-1303.53 ; v1@9405.59,-1329.27 v1(9415.59,-1329.27) ; U1.8@9645.59,-716.85 9645.59,-834.27 v1(9680.59,-869.27) ; v1(9655,-365) Cin1.1@9736.38,-365 ; U1.10@9684.96,-716.85 9685.59,-717.48 9685.59,-749.27 9705.59,-769.27 v1(9755.59,-769.27) ; U1.1@9684.96,-601.69 9684.96,-574.9 9715.59,-544.27 v1(9765.59,-544.27) ; Cin1.1@9741.38,-365 Cin1.1@9741.38,-362.05 ; UDPOT1.13@9856.77,-1298.53 9856.77,-1350.45 9871.45,-1365.12 9939.73,-1365.12 v1(9940.59,-1364.27) ; UDPOT1.14@9882.36,-1298.53 9882.36,-1318.51 9913.12,-1349.27 v1@9930.59,-1349.27 ; v1@8896.77,-1376.77 v1(8900,-1380) ; v1@8896.77,-1376.77 v1(8900,-1380)
  other v1: 7990,-1355
pads on no net: ADC_ADC.16 ADC_ADC.18 ADC_ADC.22 ADC_VOLT.16 ADC_VOLT.18 ADC_VOLT.22 J202.4 J202.MH1 J202.MH2 L_DUT1.5 L_DUT2.5 L_DUT3.5 L_DUT4.5 L_DUT5.5 L_DUT6.5 SW201BOOT.1 SW201BOOT.4 SW202EN.2 SW202EN.3 U1.2 U2.2 U3.2 U4.2 U5.2 U6.2 U201.4 U201.5 U201.8 U201.9 U201.12 U201.14 U201.17 U201.18 U201.21 U201.22 U201.26 U201.27 U201.28 U201.32 U201.33 U201.36 U201.37 U202.7 U202.12 U202.13 U202.18 U202.23 U202.24 U202.26 U202.38 U202.39 U202.40 U202.41 U202.42 U202.46 U202.47 UMCU.2 VRB301_VRB1.1 VRB301_VRB2.1

## Polygon pours and split planes (outlines as drawn)
A5V0 on 5V (split plane): 2729.92,-2705 2730.23,-2708.92 2731.15,-2712.75 2732.66,-2716.38 2734.71,-2719.74 2737.27,-2722.73 2997.27,-2982.73 3000.26,-2985.29 3003.62,-2987.34 3007.25,-2988.85 3011.08,-2989.77 3015,-2990.08 5515,-2990.08 5518.92,-2989.77 5522.75,-2988.85 5526.38,-2987.34 5529.74,-2985.29 5532.73,-2982.73 5972.73,-2542.73 5974.11,-2541.12 5975.29,-2539.74 5977.34,-2536.38 5977.97,-2534.88 5978.85,-2532.75 5979.55,-2529.84 5979.77,-2528.92 5980.08,-2525 5980.08,-2120.54 6187.27,-2327.73 6190.26,-2330.29 6193.62,-2332.34 6197.25,-2333.85 6201.08,-2334.77 6205,-2335.08 10474.9,-2335.08 10474.9,-7979.9 20.1,-7979.9 20.1,-20.1 2729.92,-20.1
3V3 on 5V (split plane): 5929.92,-2045 5929.92,-2060 5929.92,-2514.61 5504.61,-2939.92 3025.39,-2939.92 2780.08,-2694.61 2780.08,-20.1 5929.92,-20.1
VIN on 5V (split plane): 10474.9,-2284.92 6215.39,-2284.92 5980.08,-2049.61 5980.08,-2045 5980.08,-20.1 10474.9,-20.1
GND on GND (split plane): 10474.9,-7979.9 20.1,-7979.9 20.1,-20.1 10474.9,-20.1

## Other copper
Top Layer:
  text "3V3" at 5880,-1770 h30
Bottom Layer:
  text "5V5" at 6635,-2040 h30 r270
5V (plane layer: these items are gaps in the copper):
  lines w50: 2755,20 2755,-2705 3015,-2965 5280,-2965 5515,-2965 5955,-2525 5955,-2045 ; 5955,0 5955,-2060 6205,-2310 10620,-2310

## Silkscreen, mask and mechanical layers (free items; w line width, h text height)
Top Overlay:
  text "SPI_MISO" at 1465,-885 h30
  text "ADC_CS" at 2480,-945 h30
  text "SPI_RESET" at 2455,-1215 h30
  text "SPI_MOSI" at 2420,-1430 h30
  text "DUT_CS" at 2650,-1510 h30
  text "SDA" at 2710,-1580 h30
  text "SCL" at 2645,-2055 h30
  text "DUT6" at 7475,-2170 h30 r90
  text "HEAT6" at 7350,-2175 h30 r90
  text "HEAT5" at 7835,-2175 h30 r90
  text "DUT5" at 7920,-2175 h30 r90
  text "DUT1" at 10095,-2175 h30 r90
  text "HEAT1" at 9865,-2180 h30 r90
  text "HEAT4" at 8285,-2190 h30 r90
  text "DUT4" at 8400,-2190 h30 r90
  text "HEAT3" at 8990,-2190 h30 r90
  text "DUT3" at 9115,-2190 h30 r90
  text "HEAT2" at 9390,-2190 h30 r90
  text "DUT2" at 9495,-2190 h30 r90
  text "SPI_SCLK" at 2920,-2270 h30

## Text inside footprints (layer, text, board x,y; h text height)
C201: Top Overlay "+" at 3260.39,-2524.53 h30
C202: Top Overlay "+" at 3628.73,-2519.53 h30
C203: Top Overlay "+" at 5495.39,-2829.53 h30